# Altium PCB Sinus_Inverter.PcbDoc
Units mm, origin at the board's own origin, x right, y up, seen from the top; angles counter-clockwise.
Board outline 145.25 x 180.23 mm, 2 copper layers (Top Layer, Bottom Layer); 115 components, 49 nets, 267 pads, 153 vias.
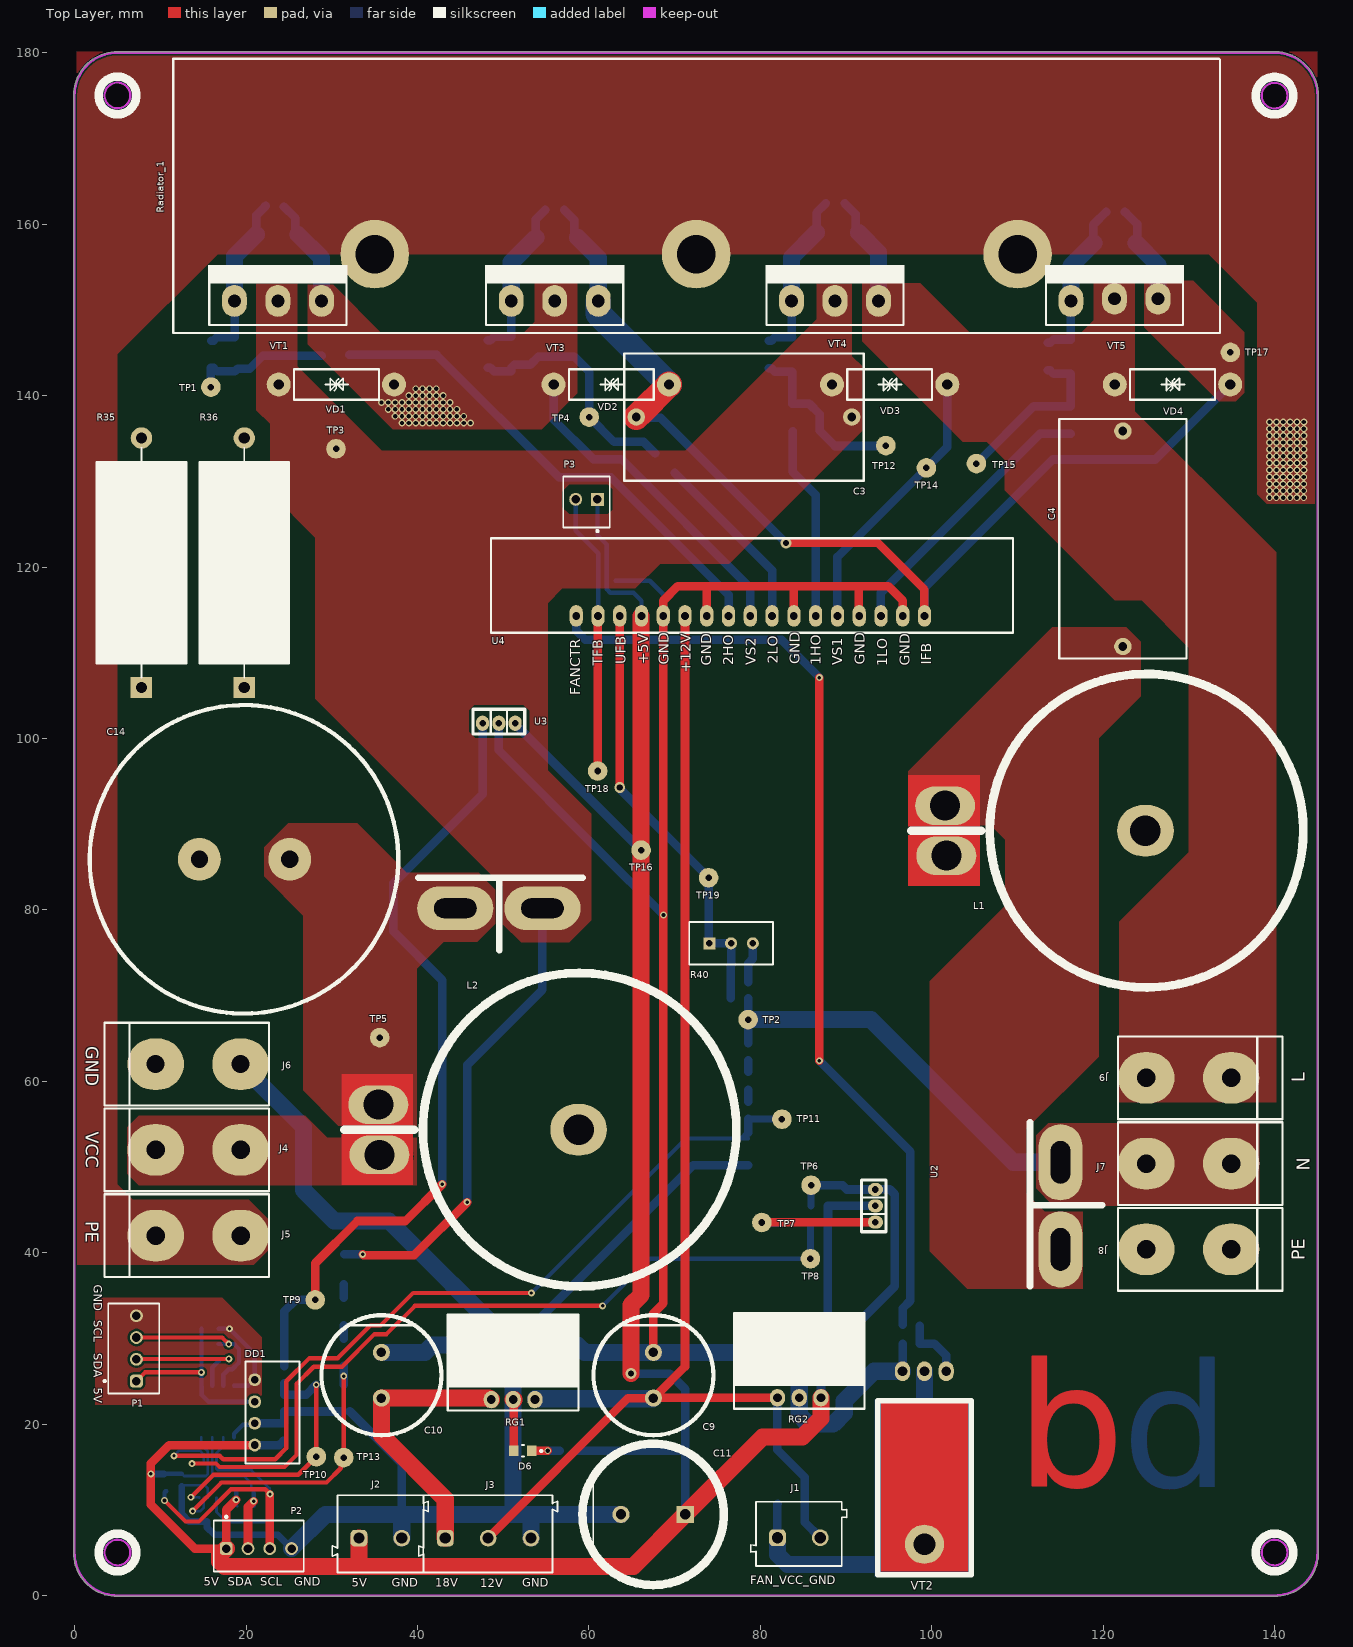
[diagram p0: Top Layer view]
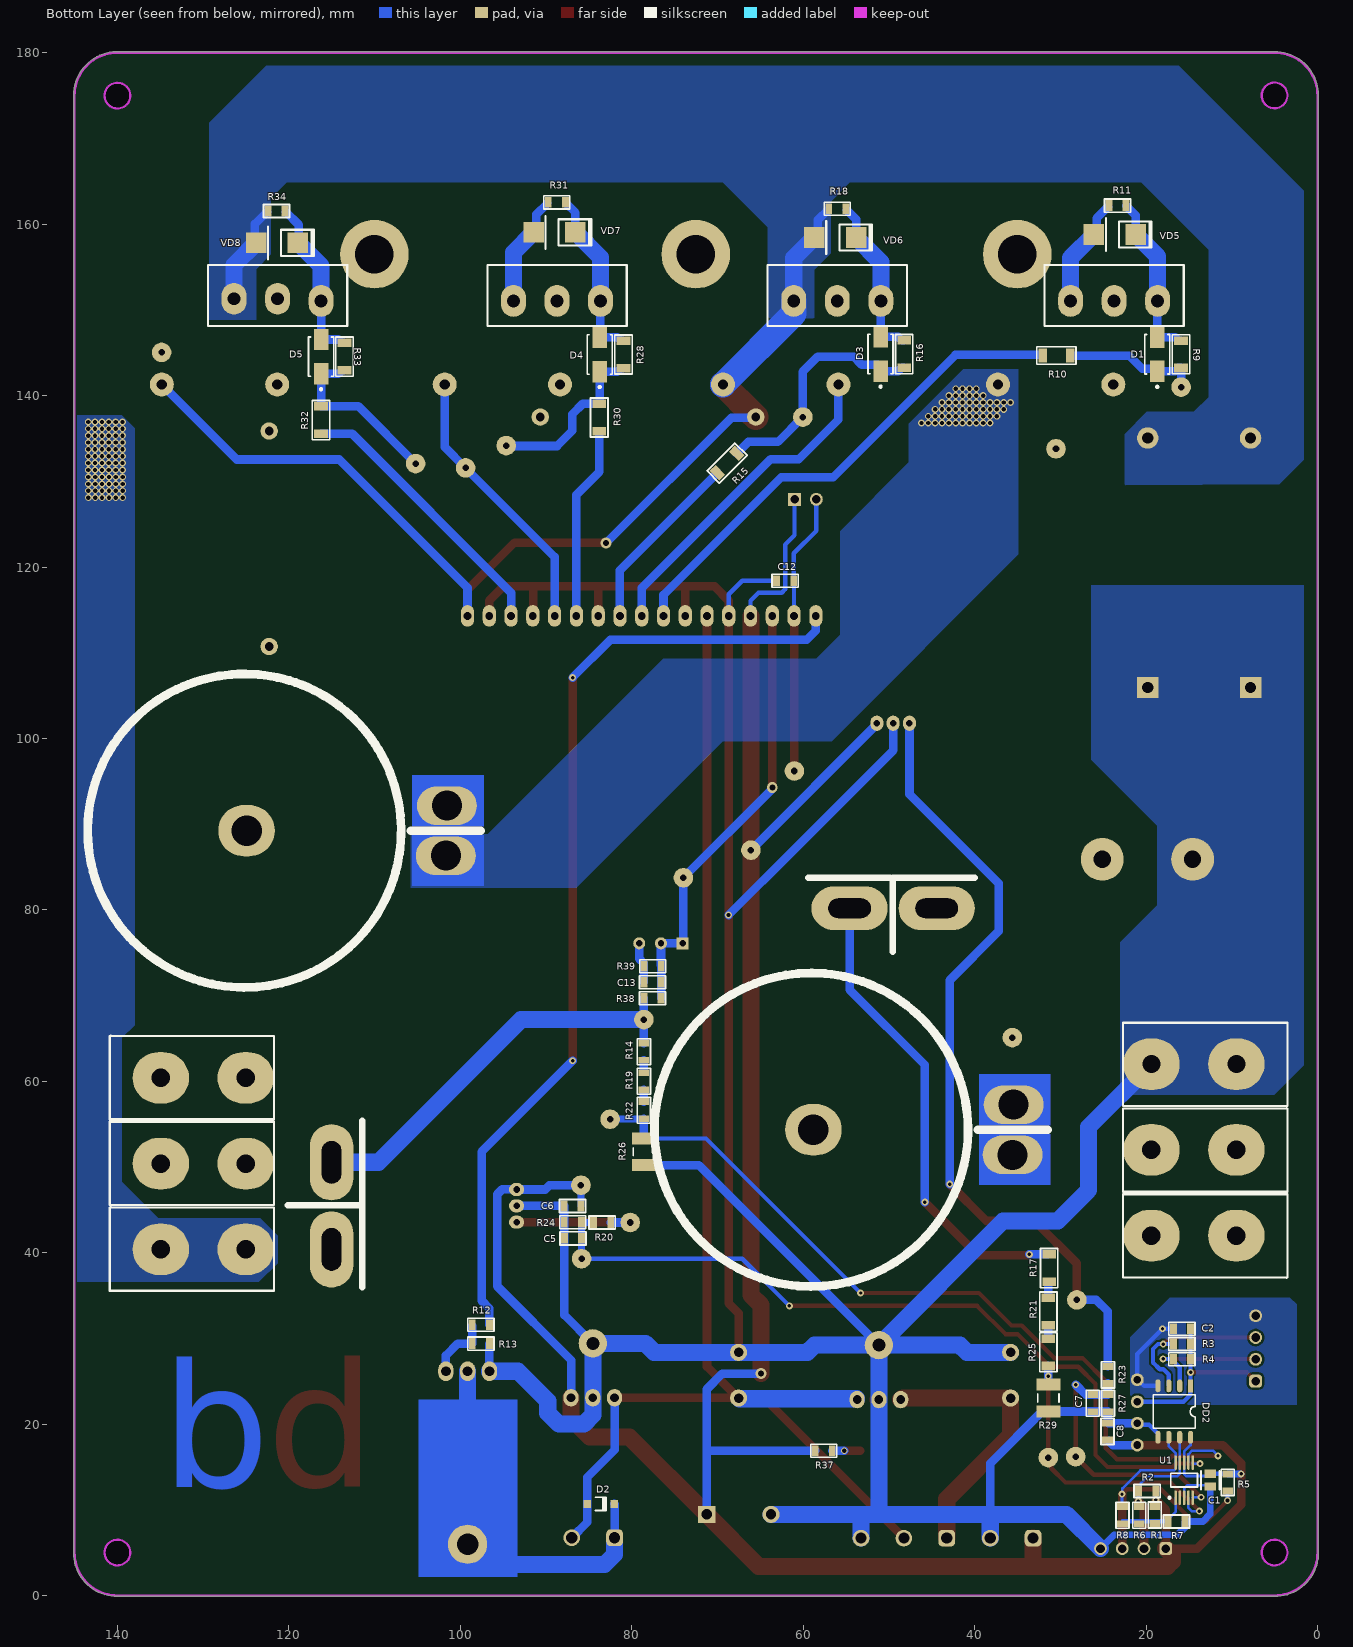
[diagram p1: Bottom Layer view, seen from below]

## Layer stack, top to bottom
Top Solder: solder mask 0.0102, Solder Resist, Dk 3.5
Top Layer: signal copper 0.0356
Dielectric 1: dielectric 0.32, FR-4, Dk 4.8
Bottom Layer: signal copper 0.0356
Bottom Solder: solder mask 0.0102, Solder Resist, Dk 3.5

## Board outline
-0.125,5.022 -0.125,175.022 -0.125,175.026 cw(c5.002,175) 5,180.127 140.148,180.127 140.175,180.124 cw(c140,175) 145.127,175.026 145.127,175.022 145.127,5.022 cw(c140,5.022) 140.002,-0.105 5.002,-0.105 cw(c5.002,5.022)
cut-out: 138.5,5.022 ccw(c140,5.022) 140,3.522 ccw(c140,5.022) 141.5,5.022 ccw(c140,5.022) 140,6.522 ccw(c140,5.022)
cut-out: 138.5,175 ccw(c140,175) 140,173.5 ccw(c140,175) 141.5,175 ccw(c140,175) 140,176.5 ccw(c140,175)
cut-out: 3.502,175.022 ccw(c5.002,175.022) 5.002,173.522 ccw(c5.002,175.022) 6.502,175.022 ccw(c5.002,175.022) 5.002,176.522 ccw(c5.002,175.022)
cut-out: 3.502,5.022 ccw(c5.002,5.022) 5.002,3.522 ccw(c5.002,5.022) 6.502,5.022 ccw(c5.002,5.022) 5.002,6.522 ccw(c5.002,5.022)

## Design rules (kind name [scope] priority, off if disabled: settings)
Clearance [All] p1: gap=0.254 ignorepadtopadclearanceinfootprint=TRUE except(0: THPad-Hole Via-Hole Fill-Hole Poly-Hole Region-Hole Text-Hole; 0.15: SMDPad-SMDPad SMDPad-THPad SMDPad-Via SMDPad-Fill SMDPad-Poly SMDPad-Region SMDPad-Text SMDPad-Hole; 0.2: Arc-Arc Arc-Track Arc-SMDPad Arc-THPad Arc-Via Arc-Fill Arc-Poly Arc-Region Arc-Text Arc-Hole Track-Track Track-SMDPad Track-THPad Track-Via Track-Fill Track-Poly Track-Region Track-Text Track-Hole Poly-Poly)
ComponentClearance [All] p1: gap=-5 collisioncheckmode=3 verticalgap=0.254 showdistances=FALSE
DiffPairsRouting [All] p1: maxlimit=5 minlimit=0.254 mostfreqgap=0.254 toplayer_minwidth=0.381 toplayer_maxwidth=0.381 toplayer_prefwidth=0.381 bottomlayer_minwidth=0.381 bottomlayer_maxwidth=0.381 bottomlayer_prefwidth=0.381 maxuncoupledlength=12.7
Height [All] p1: minheight=0 maxheight=150 prefheight=50
MinimumSolderMaskSliver [All] p1: minsoldermaskwidth=0.15
PlaneClearance [All] p1: clearance=0.7
PlaneConnect [All] p1: planeconnectstyle=Relief reliefexpansion=0.508 reliefentries=4 reliefconductorwidth=0.254 reliefairgap=0.5
PolygonConnect [All] p1: connectstyle=Relief reliefconductorwidth=0.254 reliefentries=4 polygonreliefangle="90 Angle" airgapwidth=0.5
RoutingVias [All] p1: holewidth=0.711 width=1.27 viastyle="Through Hole" minholewidth=0.711 minwidth=1.27 maxholewidth=0.711 maxwidth=1.27
SilkToSilkClearance [All] p1: silktosilkclearance=0.15
SilkToSolderMaskClearance [IsPad] p1: minsilkscreentomaskgap=0.15 clearancetoexposedcopper=TRUE
SolderMaskExpansion [All] p1: expansion=0.102 istentingtop=FALSE
Width [All] p1: maxlimit=5 minlimit=0.254 preferedwidth=2 minimp=50.000000 maximp=50.000000 favimp=50.000000
22 further rules are at their usual default settings.

## Components (designator, comment, footprint, x,y, rotation, side; value= is the part's Value field where it differs from the comment)
C1 "C0805C224K5RACTU" FP-C0805C-DN-MFG 12.504,13.468 r90 bottom value="0.22 μF"
C2 "CAP-NON-POLAR" CAP-0805 15.806,31.121 r0 bottom
C3 "3.3uF 630V" CAP_4.7uF_630V 78.1,137.5 r0 top locked
C4 "3.3uF 630V" CAP_4.7uF_630V 122.3,123.3 r270 top
C5 "0.1uF" CAP-0805 86.85,41.675 r0 bottom
C6 "0.1uF" CAP-0805 86.9,45.45 r180 bottom
C7 "0.1uF" CAP-0805 26.218,22.442 r270 bottom
C8 "0.1uF" CAP-0805 24.486,19.148 r270 bottom
C9 "1000uF_50V" CAP_POL_13x26_1000uF_50V 67.536,25.711 r90 top
C10 "1000uF_50V" CAP_POL_13x26_1000uF_50V 35.8,25.711 r90 top
C11 "CAP-POLAR" CAPPOL-16x25 67.5,9.475 r180 top locked
C12 "0.01uF" CAP-0805 62.1,118.4 r180 bottom
C13 "0.1uF" CAP-0805 77.575,71.55 r0 bottom
C14 "500V_470uF" 500V_470uF 19.766,85.9 r180 top
D1 "US1G" US1G_SMA 18.693,144.823 r90 bottom
D2 "1N4148W-7-F" DIOD-SOD123-2_V 83.6,10.7 r180 bottom
D3 "US1G" US1G_SMA 50.968,144.848 r90 bottom
D4 "US1G" US1G_SMA 83.743,144.798 r90 bottom
D5 "US1G" US1G_SMA 116.243,144.548 r90 bottom
D6 "LED" LED_BLUE 52.3,16.9 r180 top
DD1 "B0505S-1W" PLS-4-2.54mm 21.013,21.372 r270 top locked
DD2 "ADUM1250ARZ" SO8-150 16.695,21.469 r270 bottom
J1 "691102710002" 691102710002 84.5,7.2 r0 top
J2 "691101710002" 691101710002 35.675,7.2 r0 top
J3 "691101710003" 691101710003 48.25,7.2 r0 top locked
J4 "MG_136_HT" Conn_MEIGAN_MG136HT#1 12,52 r270 top locked
J5 "MG_136_HT" Conn_MEIGAN_MG136HT#1 12,42 r270 top locked
J6 "MG_136_HT" Conn_MEIGAN_MG136HT#2 12,62 r270 top locked
J7 "MG_136_HT" Conn_MEIGAN_MG136HT#1 132.4,50.4 r90 top
J8 "MG_136_HT" Conn_MEIGAN_MG136HT#1 132.4,40.4 r90 top
J9 "MG_136_HT" Conn_MEIGAN_MG136HT#1 132.4,60.4 r90 top
L1 "" Coil_drosel#1 130.4,99.4 r90 top
L2 "" Coil_drosel#2 64.261,64.51 r90 top locked
P1 "61900411121" 61900411121 6.907,28.835 r270 top
P2 "61900411121" 61900411121 21.5,5.787 r180 top locked
P3 "61900211121" 61900211121 59.73,127.6 r0 top
R1 "10K" RES-0805 18.975,9.4 r90 bottom
R2 "10K" RES-0805 19.87,12.198 r180 bottom
R3 "10K" RES-0805 15.806,29.343 r180 bottom
R4 "10K" RES-0805 15.806,27.565 r180 bottom
R5 "10K" RES-0805 10.475,13.2 r90 bottom
R6 "10K" RES-0805 20.775,9.375 r270 bottom
R7 "10K" RES-0805 16.441,8.642 r0 bottom
R8 "10K" RES-0805 22.75,9.375 r270 bottom
R9 "10" RES-1206 15.918,144.823 r90 bottom
R10 "10" RES-1206 30.45,144.675 r180 bottom
R11 "10K" RES-0805 23.318,162.173 r180 bottom
R12 "2.2K" RES-0805 97.6,31.6 r180 bottom
R13 "10K" RES-0805 97.6,29.4 r0 bottom
R14 "300K" RES-0805 78.582,63.45 r90 bottom
R15 "10" RES-1206 68.874,132.126 r135 bottom
R16 "10" RES-1206 48.218,144.848 r90 bottom
R17 "300K" RES-1206 31.3,38.2 r90 bottom
R18 "10K" RES-0805 56.018,161.798 r180 bottom
R19 "300K" RES-0805 78.582,60 r90 bottom
R20 "1K" RES-0805 83.45,43.525 r180 bottom
R21 "300K" RES-1206 31.394,33.136 r90 bottom
R22 "300K" RES-0805 78.582,56.625 r90 bottom
R23 "1K" RES-0805 24.44,25.744 r90 bottom
R24 "100K" RES-0805 86.875,43.55 r180 bottom
R25 "300K" RES-1206 31.394,28.386 r90 bottom
R26 "1K" FP-CRCW1210-e3-IPC_A 78.575,51.775 r90 bottom
R27 "100K" RES-0805 24.44,22.442 r90 bottom
R28 "10" RES-1206 80.968,144.798 r90 bottom
R29 "1K" FP-CRCW1210-e3-IPC_A 31.394,23.052 r90 bottom
R30 "10" RES-1206 83.793,137.448 r90 bottom
R31 "10K" RES-0805 88.743,162.548 r180 bottom
R32 "10" RES-1206 116.243,137.148 r90 bottom
R33 "10" RES-1206 113.518,144.548 r90 bottom
R34 "10K" RES-0805 121.443,161.548 r180 bottom
R35 "0.1" RES_5W_Ceramic_Yageo 7.8,120.5 r90 top
R36 "0.1" RES_5W_Ceramic_Yageo 19.8,120.5 r90 top
R37 "10K" RES-0805 57.6,16.9 r0 bottom
R38 "200K" RES-0805 77.575,69.7 r180 bottom
R39 "10K" RES-0805 77.55,73.425 r180 bottom
R40 "10K" RES_Adj_3296W_Bourns 76.589,76.101 r270 top
Radiator_1 "Radiator_122X80_M4" Radiator_122X80_M4 72.518,163.298 r0 top
RG1 "" TO-220_Bended_Rad 51.672,25.914 r0 top
RG2 "" TO-220_Bended_Rad 85.048,26.123 r0 top
TP1 "Test_Point_PCB" Test_Point 15.9,141 r0 top
TP2 "" Test_Point 78.579,67.2 r0 top
TP3 "" Test_Point 30.5,133.8 r0 top
TP4 "" Test_Point 60.043,137.499 r0 top
TP5 "" Test_Point 35.6,65.1 r0 top
TP6 "" Test_Point 85.925,47.875 r270 top
TP7 "" Test_Point 80.175,43.525 r90 top
TP8 "" Test_Point 85.85,39.3 r270 top
TP9 "" Test_Point 28.075,34.5 r90 top
TP10 "" Test_Point 28.2,16.2 r90 top
TP11 "" Test_Point 82.525,55.575 r90 top
TP12 "" Test_Point 94.643,134.173 r270 top
TP13 "" Test_Point 31.4,16.1 r90 top
TP14 "" Test_Point 99.386,131.566 r90 top
TP15 "Test_Point_PCB" Test_Point 105.218,132.073 r90 top
TP16 "" Test_Point 66.1,86.965 r90 top
TP17 "" Test_Point 134.85,145.05 r90 top
TP18 "" Test_Point 61.029,96.203 r90 top
TP19 "" Test_Point 73.975,83.75 r90 top
U1 "ADS1115IDGST" TI-DGS10_N 15.552,13.468 r90 bottom
U2 "" ACS758-100 103.214,45.47 r270 top
U3 "" ACS758-100 49.5,92 r180 top
U4 "EGS002" EGS002 58.518,114.298 r0 top locked
VD1 "Suppressor" P6KE350CA 30.543,141.298 r180 top
VD2 "Suppressor" P6KE350CA 62.618,141.298 r180 top
VD3 "Suppressor" P6KE350CA 95.093,141.298 r180 top
VD4 "Suppressor" P6KE350CA 128.093,141.298 r180 top
VD5 "SMBJ15A" DO-214AA 25.693,158.798 r180 bottom
VD6 "SMBJ15A" DO-214AA 58.318,158.448 r180 bottom
VD7 "SMBJ15A" DO-214AA 91.068,159.048 r180 bottom
VD8 "SMBJ15A" DO-214AA 123.443,157.823 r180 bottom
VT1 "SPW47N60" TO-247-3(Infineon)#1 23.718,151.298 r0 top
VT2 "IRFR3205" TO-220(bend2) 99.4,15 r180 top
VT3 "SPW47N60" TO-247-3(Infineon)#1 56.018,151.298 r0 top
VT4 "SPW47N60" TO-247-3(Infineon)#1 88.718,151.298 r0 top
VT5 "SPW47N60" TO-247-3(Infineon)#2 121.318,151.298 r0 top

## Footprints (in the part's own frame and the unit in brackets; to place one, negate y for a bottom-side part, rotate by r counter-clockwise, add the part's x,y. Pads: shape width x height; smd on the part's side, far side on the other; paste and mask are expansions set on the pad)
500V_470uF [mm]
  round 5 hole 2: 1(-5.334,0) 2(5.207,0)
  silkscreen extent -18,-18 18,18, body extent -17.6,-17.6 17.61,17.61, height 59.97
61900211121 [mm] "2.54mm Male Locking Header, 2p"
  rect 1.5x1.5 hole 1: 1(1.27,0.3)
  round 1.5 hole 1: 2(-1.27,0.3)
  silkscreen extent -2.71,-3.52 2.71,2.98, body extent -2.54,-2.9 2.54,2.9, height 11.53
61900411121 [mm] "2.54mm Male Locking Header, 4p"
  rrect50% 1.5x1.5 hole 1: 1(3.81,0.3)
  round 1.5 hole 1: 2(1.27,0.3) 3(-1.27,0.3) 4(-3.81,0.3)
  silkscreen extent -5.25,-3.52 5.25,2.98, body extent -5.08,-2.9 5.08,2.9, height 11.53
691101710002 [mm] "5,00mm - modular - blue - Horizontal entry with pressure clamp - 12,6mm height - 02p"
  rrect50% 1.95x1.95 hole 1.3: 1(-2.5,-0.5)
  round 1.95 hole 1.3: 2(2.5,-0.5)
  silkscreen extent -5.6,-4.5 5.6,4.5, body extent -5.6,-4.5 5.6,4.5, height 12.65
691101710003 [mm] "5,00mm - modular - blue - Horizontal entry with pressure clamp - 12,6mm height - 03p"
  rrect50% 1.95x1.95 hole 1.3: 1(-5,-0.5)
  round 1.95 hole 1.3: 2(0,-0.5) 3(5,-0.5)
  silkscreen extent -8.1,-4.5 8.1,4.5, body extent -8.1,-4.5 8.1,4.5, height 12.65
691102710002 [mm] "5,00mm - modular - blue - Horizontal entry with pressure clamp - 9,9 mm height - 02p"
  rrect50% 1.95x1.95 hole 1.3: 1(-2.5,-0.45)
  round 1.95 hole 1.3: 2(2.5,-0.45)
  silkscreen extent -5.6,-3.75 5.6,3.75, body extent -5.6,-3.75 5.6,3.75, height 9.96
ACS758-100 [mil]
  oval 60x70 hole 30: 1(-75,-385) 2(0,-385) 3(75,-385)
  oval 350x200 hole 90 slot 195 at 0 deg: 4(200,465) 5(-200,465)
  silkscreen extent -385,-449 370,665, body extent -276,-404 276,492, height 280
CAP-0805 [mm]
  rect 0.8x1.25 smd mask+0.015: 1(-1,0) 2(1,0)
  silkscreen extent -1.52,-0.76 1.52,0.76, body extent -1,-0.62 1,0.63, height 0.8
CAP_4.7uF_630V [mil]
  round 80 hole 40: 1(-495,0) 2(495,0)
  silkscreen extent -550,-292 550,292, body extent -527,-289 527,289, height 1242
CAP_POL_13x26_1000uF_50V [mm]
  round 2 hole 1.1: 1(-2.667,0) 2(2.667,0)
  silkscreen extent -7,-7 7,7, body extent -6.3,-6.3 6.31,6.31, height 25.72
CAPPOL-16x25 [mm]
  rect 2x2 hole 1.2 paste-2539.97 mask+0: 1(-3.75,0)
  round 2 hole 1.2 paste-2539.97 mask+0: 2(3.75,0)
  silkscreen extent -8.25,-8.25 8.25,8.25, body extent -8.35,-8.35 8.35,8.35, height 0.25
Coil_drosel#1 [mm]
  oval 4.5x7 hole 3.5 mask+0.102: 1(-13.081,28.702)
  oval 4.5x7 hole 3.5 paste-2539.97 mask+0.102: 2(-7.239,28.829)
  oval 6x6.604 hole 3.556: GND(-10.16,5.461)
  Top Layer region: -9.652,24.765 -3.683,24.765 -3.683,33.147 -9.652,33.147
  Top Layer region: -16.637,24.765 -10.668,24.765 -10.668,33.147 -16.637,33.147
  Bottom Layer region: -9.652,24.765 -3.683,24.765 -3.683,33.147 -9.652,33.147
  Bottom Layer region: -16.637,24.765 -10.668,24.765 -10.668,33.147 -16.637,33.147
  silkscreen extent -28.45,-12.95 8.13,32.77, body extent -29.08,-13.71 8.92,29.71, height 20.97
Coil_drosel#2 [mm]
  oval 4.5x7 hole 3.5: 1(-13.081,28.702) 2(-7.239,28.829)
  oval 6x6.604 hole 3.556: GND(-10.16,5.461)
  Top Layer region: -9.652,24.765 -3.683,24.765 -3.683,33.147 -9.652,33.147
  Top Layer region: -16.637,24.765 -10.668,24.765 -10.668,33.147 -16.637,33.147
  Bottom Layer region: -9.652,24.765 -3.683,24.765 -3.683,33.147 -9.652,33.147
  Bottom Layer region: -16.637,24.765 -10.668,24.765 -10.668,33.147 -16.637,33.147
  silkscreen extent -28.45,-12.95 8.13,32.77, body extent -29.08,-13.71 8.92,29.71, height 20.97
Conn_MEIGAN_MG136HT#1 [mm]
  oval 6x6.6 hole 2.159: 1(0,7.366) 1(0,-2.54)
  silkscreen extent -4.83,-8.51 4.83,10.67, body extent -6,-8.55 5,9.95, height 30.95
Conn_MEIGAN_MG136HT#2 [mm]
  oval 6x6.6 hole 2.1: 1(0,7.366) 1(0,-2.54)
  silkscreen extent -4.83,-8.51 4.83,10.67, body extent -6,-8.55 5,9.95, height 30.95
DIOD-SOD123-2_V [mm] "SOD123, 2-Leads, Body 2.7x1.55mm, Height 1.45mm"
  rect 0.9x0.95 smd: 1(-1.575,0) 2(1.575,0)
  silkscreen extent -0.64,-0.82 0.64,0.77, body extent -1.35,-0.77 1.35,0.77, height 1.45
DO-214AA [mm]
  rect 2.4x2.4 smd: 1(-0.381,0) 2(4.5,0)
  silkscreen extent 1.02,-1.91 6.35,1.91, body extent -0.75,-1.97 4.85,1.97, height 2.65
EGS002 [mm]
  oval 1.54x2.524 hole 0.9: 1(40.64,0) 2(38.1,0) 3(35.56,0) 4(33.02,0) 5(30.48,0) 6(27.94,0) 7(25.4,0) 8(22.86,0) 9(20.32,0) 10(17.78,0) 11(15.24,0) 12(12.7,0) 13(10.16,0) 14(7.62,0) 15(5.08,0) 16(2.54,0) 17(0,0)
  silkscreen extent -9.93,-1.96 50.95,9.07, body extent -10.01,-0.29 50.99,9.1, height 36.7
FP-C0805C-DN-MFG [mm]
  rect 0.95x1.35 smd paste+0 mask+0: 1(-0.75,0) 2(0.75,0)
  silkscreen extent -1.1,-1.07 1.1,1.07, body extent -1,-0.63 1,0.63, height 0.88
FP-CRCW1210-e3-IPC_A [mm]
  rect 1.405x2.806 smd paste+0 mask+0: 1(-1.551,0) 2(1.551,0)
  silkscreen extent -0.47,-1.25 0.47,1.25, body extent -1.6,-1.25 1.6,1.25, height 0.6
LED_BLUE [mm]
  rect 1.1x1.2 smd paste+0 mask+0: 1(-1.05,0) 2(1.05,0)
  silkscreen extent -2.28,-0.67 0.13,0.67, body extent -1,-0.63 1,0.63, height 0.8
P6KE350CA [mm]
  round 2.8 hole 1.2: 1(-6.731,0) 2(6.731,0)
  silkscreen extent -4.95,-1.78 4.95,1.78, body extent -7.26,-1.8 7.26,1.8, height 6.9
PLS-4-2.54mm [mm]
  round 1.5 hole 0.9: 1(-3.81,0) 2(-1.24,0) 3(1.27,0) 4(3.81,0)
  silkscreen extent -5.95,-1.07 5.95,5.23, body extent -5.8,-0.92 5.8,5.08, height 10.16
Radiator_122X80_M4 [mm]
  round 8 hole 4.5: 1(-37.5,-6.8) 1(0,-6.8) 1(37.5,-6.8)
  silkscreen extent -61,-16 61.1,16, body extent -61,-16 61,16, height 80.27
RES-0805 [mm]
  rect 0.8x1.25 smd mask+0.015: 1(-1,0) 2(1,0)
  silkscreen extent -1.52,-0.76 1.52,0.76, body extent -1,-0.62 1,0.63, height 0.6
RES-1206 [mm]
  rect 1x1.6 smd: 1(-1.6,0) 2(1.6,0)
  silkscreen extent -2.29,-1.02 2.29,1.02, body extent -1.6,-0.8 1.6,0.8, height 0.6
RES_5W_Ceramic_Yageo [mm]
  rect 2.5x2.5 hole 1.3 paste-2539.97 mask+0: 1(-14.555,0)
  round 2.5 hole 1.3 paste-2539.97 mask+0: 2(14.555,0)
  silkscreen extent -13.38,-5.25 13.38,5.25, body extent -15.43,-5.35 15.43,5.35, height 0.25
RES_Adj_3296W_Bourns [mm]
  rect 1.4x1.4 hole 0.75 paste-2539.97 mask+0: 1(0,-2.54)
  round 1.4 hole 0.75 paste-2539.97 mask+0: 2(0,0) 3(0,2.54)
  silkscreen extent -2.49,-4.89 2.47,4.89, body extent -2.59,-4.99 2.57,4.99, height 0.25
SO8-150 [mm]
  rect 1.5x0.6 smd: 1(-3,1.9)
  oval 1.5x0.6 smd: 2(-3,0.63) 3(-3,-0.64) 4(-3,-1.91) 5(3,-1.91) 6(3,-0.64) 7(3,0.63) 8(3,1.9)
  silkscreen extent -1.95,-2.45 1.95,2.45, body extent -3,-2.45 3,2.45, height 1.7
Test_Point [mil]
  round 90 hole 30 paste-99999 mask+4: 1(0,0)
TI-DGS10_N [mm] "SOP, 10-Leads, Body 3x3mm, Pitch 0.5mm, IPC Medium Density"
  oval 1.7x0.3 smd: 1(-2.05,1) 2(-2.05,0.5) 3(-2.05,0) 4(-2.05,-0.5) 5(-2.05,-1) 6(2.05,-1) 7(2.05,-0.5) 8(2.05,0) 9(2.05,0.5) 10(2.05,1)
  silkscreen extent -2.17,-1.55 0.8,1.83, body extent -1.55,-1.55 1.55,1.55, height 1.1
TO-220(bend2) [mil]
  round 180 hole 100: D(10,355)
  oval 70x90 hole 45: D(10,-440) G(-90,-440) S(110,-440)
  Top Layer region: -190,-300 210,-300 210,480 -190,480
  Bottom Layer region: -215.01,-309.99 239.99,-309.99 239.99,505.01 -215.01,505.01
  silkscreen extent -205,-305 225,495, body extent -185,-446 208,476, height 179
TO-220_Bended_Rad [mil]
  oval 70x80 hole 40: 1(-120,-120) 2(-20,-120) 3(80,-120)
  round 130 hole 60: 2(-20,130)
  silkscreen extent -320,-170 280,270, body extent -315,-165 275,265, height 997
TO-247-3(Infineon)#1 [mm]
  oval 2.9x3.7 hole 1.5: 1(-5.08,-0.254) 2(0,-0.254) 3(5.08,-0.254)
  silkscreen extent -8.13,-3.05 8.13,3.94, body extent -8,-3 8,1.91, height 35.4
TO-247-3(Infineon)#2 [mm]
  oval 2.9x3.7 hole 1.5: 1(-5.08,-0.254) 2(0,0) 3(5.08,0)
  silkscreen extent -8.13,-3.05 8.13,3.94, body extent -8,-3 8,1.91, height 35.4
US1G_SMA [mm]
  rect 2.5x1.7 smd paste+0 mask+0: 1(-2,0) 2(2,0)
  silkscreen extent -3.92,-1.46 2.3,1.46, body extent -2.6,-1.3 2.6,1.3, height 2.4